# Altium PCB MCU025B.PcbDoc (part 1 of 4) (continued)
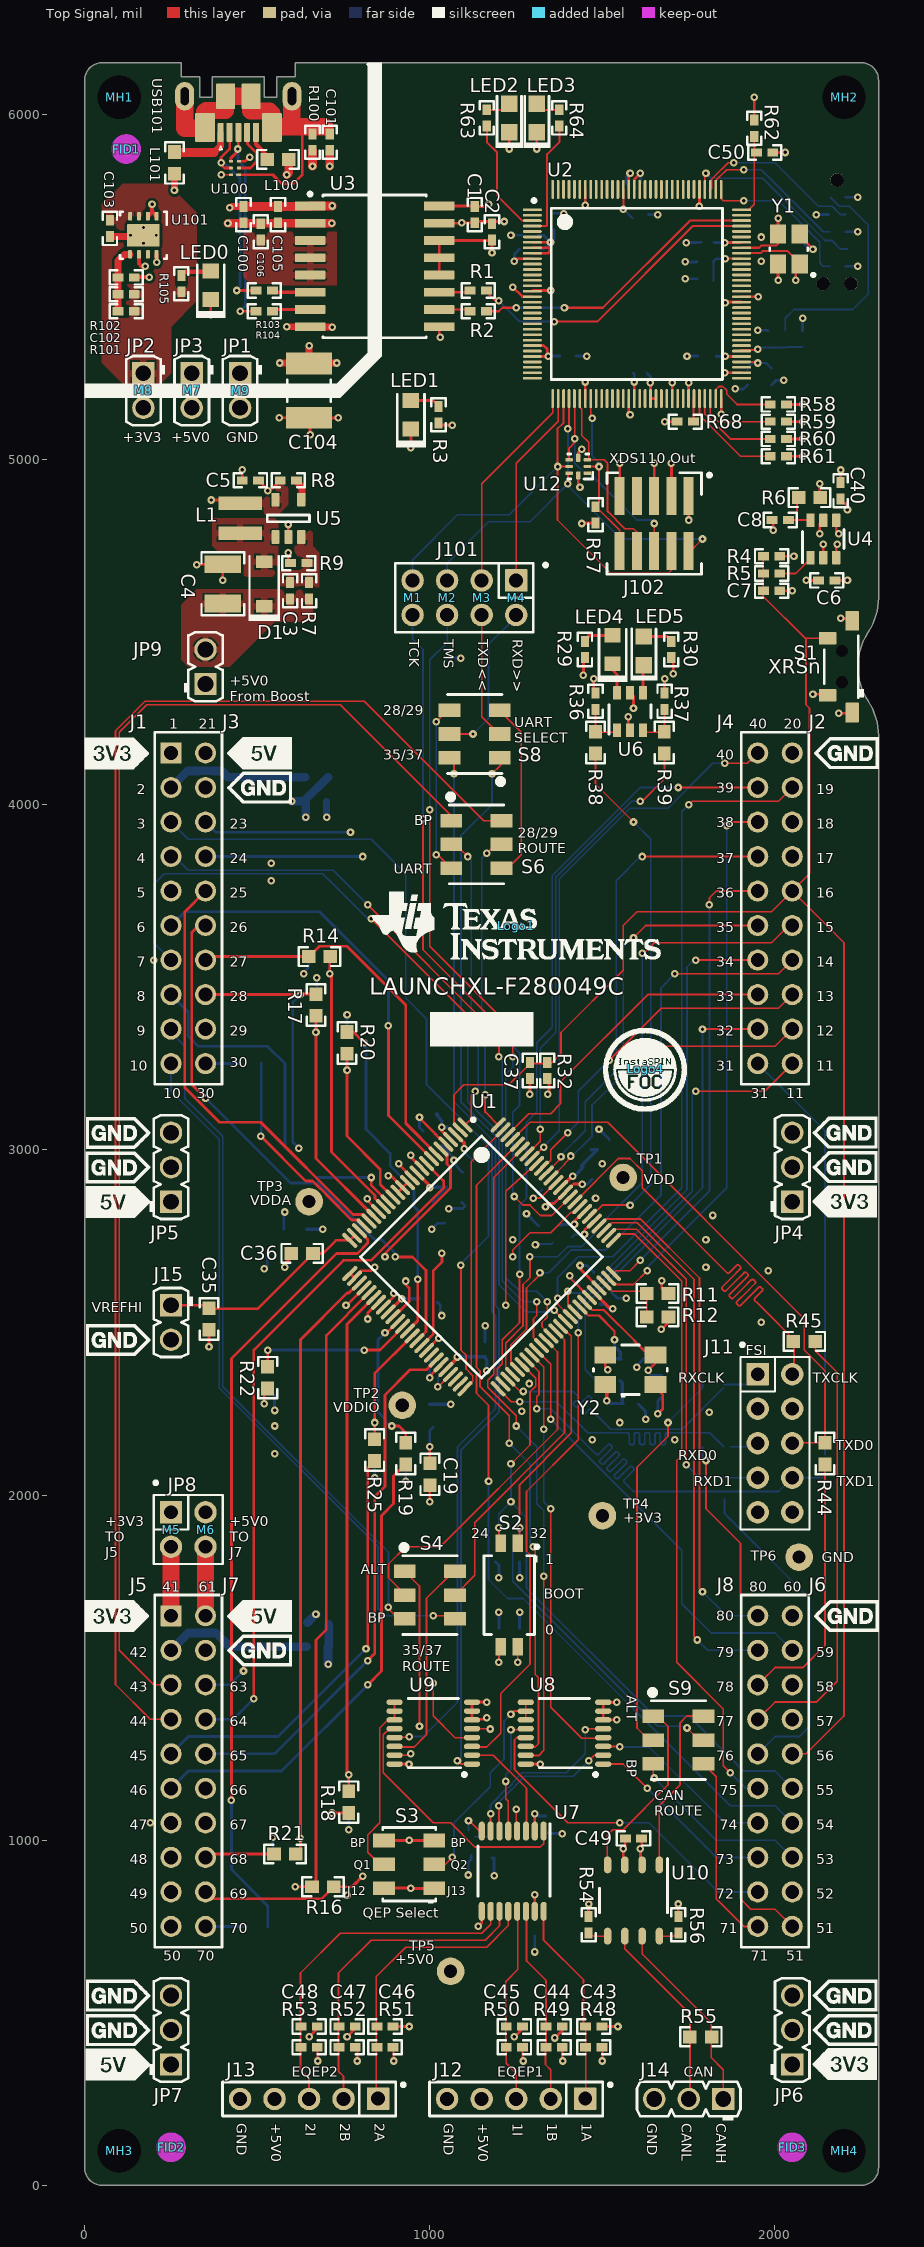
[diagram p0: Top Signal view]
## Design rules (kind name [scope] priority, off if disabled: settings) (continued)
PolygonConnect [All] p1: connectstyle=Relief reliefconductorwidth=20 reliefentries=4 polygonreliefangle="90 Angle" airgapwidth=5
RoutingVias ThermalPadVias [IsVia and InAnyComponent] p1: holewidth=7.87 width=19.68 viastyle="Through Hole" minholewidth=7.87 minwidth=19.68 maxholewidth=12.99 maxwidth=23.62
RoutingVias [All] p2: holewidth=10 width=22 viastyle="Through Hole" minholewidth=10 minwidth=22 maxholewidth=40 maxwidth=65
SilkToBoardRegionClearance [Not ((IsComment or IsDesignator) And (Hide <> 'False')) and not InRegion(1000,500,4000,800)] p1:
SilkToSilkClearance SilkToSilkClearance_Pb-FreeLogo [(HasFootprint('Pb-Free_Overlay_Medium') OR HasFootprint('Pb-Free_Overlay_Small')) vs (HasFootprint('Pb-Free_Overlay_Medium') OR HasFootprint('Pb-Free_Overlay_Small'))] p1: silktosilkclearance=0
SilkToSilkClearance [All] p2: silktosilkclearance=3
SilkToSolderMaskClearance SilkToComponentPadClearance [(IsPad or IsFill or IsRegion) and InAnycomponent] p1: minsilkscreentomaskgap=3 clearancetoexposedcopper=TRUE
SilkToSolderMaskClearance "Silk to Solder Mask Opening" [All] p2: minsilkscreentomaskgap=3 clearancetoexposedcopper=TRUE
SolderMaskExpansion [All] p1: expansion=2
Width Analog [InNetClass('Analog')] p1: maxlimit=25 minlimit=8 preferedwidth=8
Width [All] p2: maxlimit=100 minlimit=5 preferedwidth=5 checkconnectedcopper=TRUE
14 further rules are at their usual default settings.

## Classes and differential pairs
net class Analog: ADCINA0 ADCINA1 ADCINA2 ADCINA3_P2I ADCINA4_P2OF ADCINA5 ADCINA6 ADCINA8_P6OF ADCINA9_P5I ADCINB0 ADCINB1 ADCINB2_P1I ADCINB3 ADCINB4_P4OF ADCINC0_P3I ADCINC1 ADCINC2 ADCINC3_P4I ADCINC4 ADCINC5_P6I ADCINC14 GND NetC26_2 NetC27_2 NetC28_2 NetC29_2 NetC30_2 NetC31_2 NetC32_1 NetC33_1 NetC34_1 NetC35_1 NetR13_2 NetR15_2 NetR23_1 NetR24_1 PGA135_GND PGA246_GND
component class MCU025B_XDS110_USB_Power: C1 C2 C3 C4 C5 C6 C7 C8 C100 C101 C102 C103 C104 C105 C106 D1 JP1 JP2 JP3 JP4 JP5 JP6 JP7 JP9 JP10 L1 L100 L101 LED0 LED1 R1 R2 R3 R4 R5 R6 R7 R8 R9 R100 R101 R102 R103 R104 R105 TP1 TP2 TP3 TP4 TP5 TP6 U3 U4 U5 U100 U101 USB101
component class MCU025B_XDS110_Target_Interface: J101 J102 R57 U12
component class MCU025B_XDS110_MCU: C50 C51 C52 C53 C54 C55 C56 C57 C58 C59 C60 C61 C62 C63 C66 J10 LED2 LED3 R58 R59 R60 R61 R62 R63 R64 R65 R66 R67 R68 R70 R? U2 Y1
component class MCU025B_F280049C_Device: C9 C10 C11 C12 C13 C14 C15 C16 C17 C18 C19 C20 C21 C22 C23 C24 C25 C26 C27 C28 C29 C30 C31 C32 C33 C34 C35 C36 C67 J15 L2 L3 R10 R11 R12 R13 R14 R15 R16 R17 R18 R19 R20 R21 R22 R23 R24 R25 R26 R27 U1
component class MCU025B_Connectors: C43 C44 C45 C46 C47 C48 C49 J1 J2 J5 J6 J11 J12 J13 J14 JP8 R48 R49 R50 R51 R52 R53 R54 R55 R56 U10
component class MCU025B_AltRouting_Misc: C37 C38 C39 C40 C41 C42 LED4 LED5 R28 R29 R30 R31 R32 R33 R34 R35 R36 R37 R38 R39 R40 R41 R42 R43 R44 R45 R46 R47 R71 R72 S1 S2 S3 S4 S6 S8 S9 U6 U7 U8 U9 Y2
component class Header: J11 J12 J13 J14 J15 J101 JP1 JP2 JP3 JP4 JP5 JP6 JP7 JP8 JP9 JP10
component class AssemblyNote: ZZ2 ZZ3 ZZ4
component class FiducialMark: FID1 FID2 FID3 FID4 FID5 FID6
component class MCU025B_Hardware: "CE Logo1" FID1 FID2 FID3 FID4 FID5 FID6 Logo1 Logo2 Logo3 Logo4 M1 M2 M3 M4 M5 M6 M7 M8 M9 MH1 MH2 MH3 MH4 ZZ2 ZZ3 ZZ4
component class Logo: Logo1 Logo4
net class FSIRX: GPIO2_FSIRXD1 GPIO12_FSIRXD0 GPIO33_FSIRXCLK
net class FSITX: GPIO6_FSITXD0 GPIO7_FSITXCLK GPIO25_FSITXD1
component class Shunt: M1 M2 M3 M4 M5 M6 M7 M8 M9

## Components (designator, comment, footprint, x,y, rotation, side; value= is the part's Value field where it differs from the comment)
C1 "GRM155R71A104KA01D" 0402 1130,5710 r90 top value=0.1uF
C2 "GRM155R71A104KA01D" 0402 1180,5660 r270 top value=0.1uF
C3 "GRM1555C1H821JA01D" 0402 595,4620 r90 top value=820pF
C4 "GRM32DR71E106KA12L" 1210_220 400,4640 r90 top value=10uF
C5 "GRM155R60J475ME47D" 0402 480,4940 r180 top value=4.7uF
C6 "GRM155R71A104KA01D" 0402 2150,4650 r0 top value=0.1uF
C7 "GRM155R71E103KA01D" 0402 1990,4620 r0 top value=0.01uF
C8 "GRM155R71E103KA01D" 0402 2015,4825 r180 top value=0.01uF
C9 "GRM188R61A106ME69D" 0603 1505,3020 r225 bottom value=10uF
C10 "GRM188R61A106ME69D" 0603 1000,3080 r45 bottom value=10uF
C11 "GRM155R71A104KA01D" 0402 1460,2935 r315 bottom value=0.1uF
C12 "GRM155R71A104KA01D" 0402 1510,2570 r45 bottom value=0.1uF
C13 "GRM155R71A104KA01D" 0402 1160,2420 r90 bottom value=0.1uF
C14 "GRM155R71A104KA01D" 0402 1050,3030 r225 bottom value=0.1uF
C15 "GRM188R61A225KE34D" 0603 560,2700 r0 bottom value=2.2uF
C16 "GRM188R61A225KE34D" 0603 1000,2570 r0 bottom value=2.2uF
C17 "GRM188R61A225KE34D" 0603 1080,2860 r315 bottom value=2.2uF
C18 "GRM188R61A225KE34D" 0603 1020,2810 r315 bottom value=2.2uF
C19 "GRM188R61A106ME69D" 0603 1000,2060 r270 top value=10uF
C20 "GRM188R61A106ME69D" 0603 1330,2750 r135 bottom value=10uF
C21 "GRM155R71A104KA01D" 0402 1110,2950 r45 bottom value=0.1uF
C22 "GRM155R71A104KA01D" 0402 1020,2370 r315 bottom value=0.1uF
C23 "GRM155R71A104KA01D" 0402 1455,2630 r225 bottom value=0.1uF
C24 "GRM155R71A104KA01D" 0402 1340,2870 r135 bottom value=0.1uF
C25 "GRM155R71A104KA01D" 0402 1395,2764 r315 bottom value=0.1uF
C26 "GRM1885C1H331JA01D" 0603 680,3560 r0 bottom value=330pF
C27 "GRM1885C1H331JA01D" 0603 690,865 r180 bottom value=330pF
C28 "GRM1885C1H331JA01D" 0603 670,3420 r270 bottom value=330pF
C29 "GRM1885C1H331JA01D" 0603 765,1110 r90 bottom value=330pF
C30 "GRM1885C1H331JA01D" 0603 760,3310 r270 bottom value=330pF
C31 "GRM1885C1H331JA01D" 0603 580,960 r0 bottom value=330pF
C32 "GRM1885C1H331JA01D" 0603 930,2120 r270 bottom value=330pF
C33 "GRM1885C1H331JA01D" 0603 530,2340 r270 bottom value=330pF
C34 "GRM1885C1H331JA01D" 0603 840,2130 r270 bottom value=330pF
C35 "GRM188R61A225KE34D" 0603 360,2510 r270 top value=2.2uF
C36 "GRM188R61A225KE34D" 0603 630,2700 r180 top value=2.2uF
C37 "GRM155R71A104KA01D" 0402 1290,3230 r90 top value=0.1uF
C38 "GRM1555C1H150JA01D" 0402 1581.21,2262.93 r0 bottom value=15pF
C39 "GRM1555C1H150JA01D" 0402 1651.21,2402.93 r180 bottom value=15pF
C40 "GRM155R71A104KA01D" 0402 2190,4910 r270 top value=0.1uF
C41 "GRM155R71A104KA01D" 0402 1344,1043 r270 bottom value=0.1uF
C42 "GRM155R71A104KA01D" 0402 1304,746 r90 bottom value=0.1uF
C43 "GRM155R71H102KA01D" 0402 1475,460 r0 top value=1000pF
C44 "GRM155R71H102KA01D" 0402 1360,460 r0 top value=1000pF
C45 "GRM155R71H102KA01D" 0402 1245,460 r0 top value=1000pF
C46 "GRM155R71H102KA01D" 0402 870,460 r0 top value=1000pF
C47 "GRM155R71H102KA01D" 0402 760,460 r0 top value=1000pF
C48 "GRM155R71H102KA01D" 0402 650,460 r0 top value=1000pF
C49 "GRM155R71A104KA01D" 0402 1590,1005 r180 top value=0.1uF
C50 "GRM155R71E103KA01D" 0402 1970,5890 r0 top value=0.01uF
C51 "GRM155R71E103KA01D" 0402 1590,5800 r180 bottom value=0.01uF
C52 "GRM155R71E103KA01D" 0402 1801,5630 r180 bottom value=0.01uF
C53 "GRM155R71E103KA01D" 0402 1800,5300 r180 bottom value=0.01uF
C54 "GRM155R70J104KA01D" 0402 1612,5257 r180 bottom value=0.1uF
C55 "GRM155R70J104KA01D" 0402 1400,5300 r0 bottom value=0.1uF
C56 "GRM155R61A105KE15D" 0402 1360,5690 r90 bottom value=1uF
C57 "GRM155R61A105KE15D" 0402 1290,5608 r180 bottom value=1uF
C58 "GRM155R71E103KA01D" 0402 1290,5650 r180 bottom value=0.01uF
C59 "GRM155R60J225KE95D" 0402 1798,5574 r180 bottom value=2.2uF
C60 "GRM155R70J104KA01D" 0402 1798,5524 r180 bottom value=0.1uF
C61 "GRM155R61A105KE15D" 0402 1610,5700 r0 bottom value=1uF
C62 "GRM1555C1H120JA01D" 0402 2030,5660 r0 bottom value=12pF
C63 "GRM1555C1H120JA01D" 0402 2030,5560 r180 bottom value=12pF
C66 "GRM155R70J104KA01D" 0402 1990,5240 r270 bottom value=0.1uF
C100 "GRM155R60J225KE95D" 0402 460,5710 r270 top value=2.2uF
C101 "GRM155R71H332KA01D" 0402 710,5920 r270 top value=3300pF
C102 "GRM1555C1H150JA01D" 0402 120,5479 r180 top value=15pF
C103 "GRM155R60J225KE95D" 0402 73,5670 r270 top value=2.2uF
C104 "1812SC103KAT1A" 1812 650,5200 r90 top value=0.01uF
C105 "GRM155R71A104KA01D" 0402 560,5710 r90 top value=0.1uF
C106 "GRM155R71A104KA01D" 0402 510,5660 r270 top value=0.1uF
"CE Logo1" "CE Mark" CE_Mark_5mm 550,450 r180 bottom
D1 "1N5819HW-7-F" SOD-123 520,4640 r90 top value=40V
FID1 "Fiducial" Fiducial10-20 120,5900 r0 top
FID2 "Fiducial" Fiducial10-20 250,110 r0 top
FID3 "Fiducial" Fiducial10-20 2050,110 r0 top
FID4 "Fiducial" Fiducial10-20 120,5900 r180 bottom
FID5 "Fiducial" Fiducial10-20 250,110 r180 bottom
FID6 "Fiducial" Fiducial10-20 2050,110 r180 bottom
J1 "SSQ-110-03-T-D" BoosterPack_40pin_J1J3 300,3700 r180 bottom locked
J2 "SSQ-110-03-T-D" BoosterPack_40pin_J2J4 2000,3700 r180 bottom locked (schematic designator J4)
J5 "SSQ-110-03-T-D" BoosterPack_40pin_J1J3 300,1200 r180 bottom locked
J6 "SSQ-110-03-T-D" BoosterPack_40pin_J2J4 2000,1200 r180 bottom locked (schematic designator J8)
J10 "TC2050-IDC-NL-FP" Tag_TC2050-NL 2180,5660 r180 bottom locked
J11 "TSW-105-07-G-D" TSW-105-07-G-D 2000,2150 r270 top
J12 "TSW-105-07-G-S" TSW-105-07-X-S 1250,250 r180 top locked
J13 "TSW-105-07-G-S" TSW-105-07-X-S 650,250 r180 top locked
J14 "61300311121" WURTH_61300311121 1750,250 r180 top locked
J15 "61300211121" WURTH_61300211121 250,2500 r270 top locked
J101 "TSW-104-07-G-D" TSW-104-07-G-D 1100,4600 r180 top
J102 "FTSH-105-01-F-DV-K" Samtec_FTSH-105-01-x-DV-K 1650,4815 r270 top
JP1 "61300211121" WURTH_61300211121 450,5200 r270 top
JP2 "61300211121" WURTH_61300211121 170,5200 r270 top
JP3 "61300211121" WURTH_61300211121 310,5200 r270 top
JP4 "61300311121" WURTH_61300311121 2050,2950 r90 top locked
JP5 "61300311121" WURTH_61300311121 250,2950 r90 top locked
JP6 "61300311121" WURTH_61300311121 2050,450 r90 top
JP7 "61300311121" WURTH_61300311121 250,450 r90 top locked
JP8 "TSW-102-07-G-D" TSW-102-07-G-D 300,1900 r270 top
JP9 "61300211121" WURTH_61300211121 350,4400 r90 top
L1 "744025003" WE-TPC_2828 450,4830 r270 top value=3.3uH
L2 "BKP2125HS600-T" 0805 610,2770 r0 bottom value="60 ohm"
L3 "BLM21PG221SN1D" 0805 1010,2230 r90 bottom value="220 ohm"
L100 "742792620" 0603 560,5870 r0 top value="100 ohm"
L101 "742792620" 0603 260,5860 r270 top value="100 ohm"
LED0 "150080SS75000" WL-SMCW_RED_0805 365,5505 r90 top value=Red
LED1 "150080SS75000" WL-SMCW_RED_0805 945,5130 r90 top value=Red
LED2 "LTST-C170TBKT" LTST-C170TBKT_Blue 1230,5990 r270 top value=Blue
LED3 "LTST-C170TBKT" LTST-C170TBKT_Blue 1310,5990 r270 top value=Blue
LED4 "150080SS75000" WL-SMCW_RED_0805 1529.37,4449.84 r90 top value=Red
LED5 "LTST-C171GKT" LED_LTST-C171 1620,4446 r270 top value=Green
Logo1 "Texas Instruments" TI_Stacked_Overlay_Small 1250,3650 r0 top
Logo2 "WEEE logo" WEEE_Minimum 850,500 r180 bottom
Logo3 "FCC disclaimer" FCC_disclaimer 1150,100 r180 bottom
Logo4 "INSTASPIN_FOC_LOGO" INSTASPIN_FOC_LOGO 1625,3235 r0 top
M1 "60900213421" Wurth_60900213421 950,4600 r270 top
M2 "60900213421" Wurth_60900213421 1050,4600 r90 top
M3 "60900213421" Wurth_60900213421 1150,4600 r90 top
M4 "60900213421" Wurth_60900213421 1250,4600 r90 top
M5 "60900213421" Wurth_60900213421 250,1900 r90 top
M6 "60900213421" Wurth_60900213421 350,1900 r90 top
M7 "60900213421" Wurth_60900213421 310,5201 r90 top
M8 "60900213421" Wurth_60900213421 170,5201 r90 top
M9 "60900213421" Wurth_60900213421 450,5200 r90 top
MH1 "MTG_NoPads" NPTH125mil 100,6050 r0 top
MH2 "MTG_NoPads" NPTH125mil 2200,6050 r0 top
MH3 "MTG_NoPads" NPTH125mil 100,100 r0 top
MH4 "MTG_NoPads" NPTH125mil 2200,100 r0 top
R1 "CRCW040224R3FKED" 0402 1140,5490 r0 top value=24.3
R2 "CRCW040224R3FKED" 0402 1140,5430 r0 top value=24.3
R3 "CRCW0402680RJNED" 0402 1025,5130 r270 top value=680
R4 "CRCW04022K20JNED" 0402 1990,4720 r0 top value=2.2k
R5 "CRCW04020000Z0ED" 0402 1990,4670 r180 top value=0
R6 "CRCW06032K20JNEA" 0603 2100,4890 r0 top value=2.2k
R7 "RC0402FR-0730K1L" 0402 650,4620 r270 top value=30.1k
R8 "CRCW040210K0JNED" 0402 590,4940 r180 top value=10k
R9 "CRCW040210K0JNED" 0402 620,4700 r0 top value=10k
R10 "CRCW04022K20JNED" 0402 1050,4450 r270 bottom value=2.2k
R11 "CRCW06030000Z0EA" 0603 1660,2584 r0 top value=0
R12 "CRCW06030000Z0EA" 0603 1660,2516 r0 top value=0
R13 "CRCW06030000Z0EA" 0603 500,750 r0 bottom value=0
R14 "CRCW06030000Z0EA" 0603 680,3560 r180 top value=0
R15 "CRCW06030000Z0EA" 0603 480,3250 r0 bottom value=0
R16 "CRCW06030000Z0EA" 0603 690,865 r0 top value=0
R17 "CRCW06030000Z0EA" 0603 670,3420 r90 top value=0
R18 "CRCW06030000Z0EA" 0603 765,1110 r270 top value=0
R19 "CRCW06030000Z0EA" 0603 930,2120 r90 top value=0
R20 "CRCW06030000Z0EA" 0603 760,3310 r90 top value=0
R21 "CRCW06030000Z0EA" 0603 580,960 r180 top value=0
R22 "CRCW06030000Z0EA" 0603 530,2340 r90 top value=0
R23 "CRCW06030000Z0EA" 0603 670,4080 r180 bottom value=0
R24 "CRCW06030000Z0EA" 0603 675,1560 r180 bottom value=0
R25 "CRCW06030000Z0EA" 0603 840,2130 r90 top value=0
R26 "CRCW06030000Z0EA" 0603 670,4010 r180 bottom value=0
R27 "CRCW06030000Z0EA" 0603 675,1625 r0 bottom value=0
R28 "CRCW06030000Z0EA" 0603 1481.21,2362.93 r90 bottom value=0
R29 "CRCW0402680RJNED" 0402 1449.37,4449.84 r270 top value=680
R30 "CRCW0402680RJNED" 0402 1699.37,4449.84 r270 top value=680
R31 "CRCW06030000Z0EA" 0603 1551.21,2362.93 r90 bottom value=0
R32 "CRCW04022K20JNED" 0402 1340,3230 r270 top value=2.2k
R33 "CRCW040256K0JNED" 0402 1200,1830 r270 bottom value=56k
R34 "CRCW040256K0JNED" 0402 1260,1830 r270 bottom value=56k
R35 "CRCW06030000Z0EA" 0603 1671.92,2314.64 r270 bottom value=0
R36 "CRCW040210M0JNED" 0402 1480,4300 r90 top value=10Meg
R37 "CRCW040210M0JNED" 0402 1680,4300 r90 top value=10Meg
R38 "CRCW06030000Z0EA" 0603 1480,4180 r90 top value=0
R39 "CRCW06030000Z0EA" 0603 1679,4180 r90 top value=0
R40 "CRCW04022K20JNED" 0402 1200,1590 r270 bottom value=2.2k
R41 "CRCW04022K20JNED" 0402 1260,1590 r270 bottom value=2.2k
R42 "CRCW06032K20JNEA" 0603 1120,980 r90 bottom value=2.2k
R43 "CRCW06030000Z0EA" 0603 1186,980 r90 bottom value=0
R44 "CRCW06030000Z0EA" 0603 2145,2120 r270 top value=0
R45 "CRCW06030000Z0EA" 0603 2085,2445 r0 top value=0
R46 "CRCW06030000Z0EA" 0603 1820,2320 r180 bottom value=0
R47 "CRCW06030000Z0EA" 0603 1820,2140 r180 bottom value=0
R48 "CRCW04021K00FKED" 0402 1475,400 r0 top value=1.00k
R49 "CRCW04021K00FKED" 0402 1360,400 r0 top value=1.00k
R50 "CRCW04021K00FKED" 0402 1245,400 r0 top value=1.00k
R51 "CRCW04021K00FKED" 0402 870,400 r0 top value=1.00k
R52 "CRCW04021K00FKED" 0402 760,400 r0 top value=1.00k
R53 "CRCW04021K00FKED" 0402 650,400 r0 top value=1.00k
R54 "CRCW040210K0FKED" 0402 1460,755 r90 top value=10.0k
R55 "RC0603FR-07120RL" 0603 1785,430 r0 top value=120
R56 "CRCW040210K0FKED" 0402 1720,755 r270 top value=10.0k
R57 "CRCW04023K30JNED" 0402 1480,4840 r270 top value=3.3k
R58 "CRCW04021K00JNED" 0402 2010,5160 r0 top value=1.0k
R59 "CRCW04021K00JNED" 0402 2010,5110 r0 top value=1.0k
R60 "CRCW04021K00JNED" 0402 2010,5060 r0 top value=1.0k
R61 "CRCW04021K00JNED" 0402 2010,5010 r0 top value=1.0k
R62 "CRCW0402100RJNED" 0402 1940,5960 r270 top value=100
R63 "ERJ-2RKF4700X" 0402 1165,5990 r270 top value=470
R64 "ERJ-2RKF4700X" 0402 1375,5990 r270 top value=470
R65 "CRCW040210K0JNED" 0402 1980,5350 r90 bottom value=10k
R66 "CRCW0402100RJNED" 0402 2030,5350 r270 bottom value=100
R67 "CRCW040210K0JNED" 0402 2080,5350 r270 bottom value=10k
R68 "CRCW04024K87FKED" 0402 1740,5110 r0 top value=4.87k
R70 "CRCW040251R0JNED" 0402 1920,5240 r270 bottom value=51
R71 "CRCW06030000Z0EA" 0603 1854,2011.59 r270 bottom value=0
R72 "CRCW06030000Z0EA" 0603 2145,2085 r90 bottom value=0
R100 "CRCW04021M00FKED" 0402 660,5920 r90 top value=1.00Meg
R101 "CRCW040251K0FKED" 0402 120,5430 r0 top
R102 "CRCW040230K0FKED" 0402 120,5528 r180 top value=30.0k
R103 "CRCW040224R3FKED" 0402 520,5490 r0 top value=24.3
R104 "CRCW040224R3FKED" 0402 520,5430 r0 top value=24.3
R105 "CRCW0402680RJNED" 0402 280,5510 r270 top value=680
S1 "1188E-1K2-V-TR" SW_1188E 2180,4400 r180 top
S2 "218-2LPST" SW_218-2LP 1230,1710 r270 top
S3 "CAS-D20TA" SW_CAS-D20TA 940,930 r180 top
S4 "CAS-220TA" SW_CAS-220TA 1000,1710 r0 top
S6 "CAS-220TA" SW_CAS-220TA 1135,3885 r0 top
S8 "CAS-220TA" SW_CAS-220TA 1130,4205 r180 top
S9 "CAS-220TA" SW_CAS-220TA 1720,1290 r0 top
TP1 "TESTPOINT" TESTPOINT 1560,2920 r0 top
TP2 "TESTPOINT" TESTPOINT 920,2260 r0 top
TP3 "TESTPOINT" TESTPOINT 650,2850 r0 top
TP4 "TESTPOINT" TESTPOINT 1500,1940 r0 top
TP5 "TESTPOINT" TESTPOINT 1060,620 r0 top
TP6 "TESTPOINT" TESTPOINT 2070,1820 r0 top
U1 "F280049CPZS" PZ0100A_N 1150,2690 r315 top
U2 "MSP432E401YTPDT" PDT0128A 1600,5480 r0 top locked
U3 "ADuM3160BRWZ" SOIC-16 840,5560 r0 top
U4 "TPS3702CX33DDCR" DDC0006A_N 2140,4770 r90 top
U5 "LMR62421XMFX/NOPB" DBV0005A_N 590,4830 r90 top
U6 "SN74LVC2G07DBVR" DBV0006A_N 1580,4270 r90 top
U7 "TXB0106PWR" PW0016A_N 1240,910 r270 top
U8 "SN74LV4053ATPWRQ1" PW0016A_L 1390,1310 r180 top
U9 "SN74LV4053ATPWRQ1" PW0016A_L 1010,1310 r180 top
U10 "SN65HVD234DR" D0008A_L 1590,825 r270 top
U12 "TPD6E004RSER" RSE0008A 1430,4980 r180 top
U100 "TPD4E004DRYR" DRY0006A 435,5845 r180 top
U101 "TPS79601DRBR" DRB0008B 170,5650 r270 top
USB101 "1051640001" Molex_1051640001 445,6110 r180 top
Y1 "NX3225GA-16.000M-STD-CRG-1" NDK_NX3225GA 2040,5610 r180 top
Y2 "ECS-200-18-30B-AGN-TR" ECS_ECX-53B 1581.21,2362.93 r90 top
ZZ2 "These assemblies are ESD sensitive, ESD precautions shall be observed." AssemblyNote 95,7342 r0 top
ZZ3 "These assemblies must be clean and free from flux and all contaminants. Use of no clean flux is not acceptable." AssemblyNote 95,7192 r0 top
ZZ4 "These assemblies must comply with workmanship standards IPC-A-610 Class 2, unless otherwise specified." AssemblyNote 95,7042 r0 top

## Footprints (in the part's own frame and the unit in brackets; to place one, negate y for a bottom-side part, rotate by r counter-clockwise, add the part's x,y. Pads: shape width x height; smd on the part's side, far side on the other; paste and mask are expansions set on the pad)
0402 [mm] "0402 from SM-752 data"
  rect 0.8x0.6 smd: 1(-0.6,0) 2(0.6,0)
  silkscreen extent -1.22,-0.52 1.22,0.52, body extent -0.55,-0.3 0.55,0.3, height 0.6
0603 [mm] "0603 from SM-752 data"
  rect 1x0.95 smd: 1(-0.8,0) 2(0.8,0)
  silkscreen extent -1.52,-0.69 1.52,0.69, body extent -0.87,-0.47 0.87,0.47, height 1
0805 [mm] "0805 from SM-752 data"
  rect 1.3x1.5 smd: 1(-0.85,0) 2(0.85,0)
  silkscreen extent -1.72,-0.97 1.72,0.97, body extent -1.1,-0.72 1.1,0.72, height 1.45
1210_220 [mm] "1210"
  rect 1.3x2.7 smd: 1(-1.45,0) 2(1.45,0)
  silkscreen extent -2.32,-1.57 2.32,1.57, body extent -1.7,-1.35 1.7,1.35, height 2.2
1812 [mm]
  rect 1.6x3.4 smd: 1(-2,0) 2(2,0)
  silkscreen extent -0.8,-1.6 0.8,1.6, body extent -2.4,-1.7 2.4,1.7, height 1.35
AssemblyNote [mil] "Assembly Note"
BoosterPack_40pin_J1J3 [mm] "Receptacle, 2.54mm, 10x2, TH"
  rrect6% 1.55x1.55 hole 1.02: 1(1.27,11.43)
  round 1.55 hole 1.02: 2(1.27,8.89) 3(1.27,6.35) 4(1.27,3.81) 5(1.27,1.27) 6(1.27,-1.27) 7(1.27,-3.81) 8(1.27,-6.35) 9(1.27,-8.89) 10(1.27,-11.43) 21(-1.27,11.43) 22(-1.27,8.89) 23(-1.27,6.35) 24(-1.27,3.81) 25(-1.27,1.27) 26(-1.27,-1.27) 27(-1.27,-3.81) 28(-1.27,-6.35) 29(-1.27,-8.89) 30(-1.27,-11.43)
  silkscreen extent -7.62,-12.95 7.62,12.95, body extent -2.48,-12.95 2.48,12.95, height 8.51
BoosterPack_40pin_J2J4 [mm] "Receptacle, 2.54mm, 10x2, TH"
  round 1.55 hole 1.02: 11(-1.27,-11.43) 12(-1.27,-8.89) 13(-1.27,-6.35) 14(-1.27,-3.81) 15(-1.27,-1.27) 16(-1.27,1.27) 17(-1.27,3.81) 18(-1.27,6.35) 19(-1.27,8.89) 20(-1.27,11.43) 31(1.27,-11.43) 32(1.27,-8.89) 33(1.27,-6.35) 34(1.27,-3.81) 35(1.27,-1.27) 36(1.27,1.27) 37(1.27,3.81) 38(1.27,6.35) 39(1.27,8.89) 40(1.27,11.43)
  silkscreen extent -7.62,-12.95 2.48,12.95, body extent -2.48,-12.95 2.48,12.95, height 8.51
CE_Mark_5mm [mil] "Minimum text height for CE Mark"
  silkscreen extent -138,-98 138,98
D0008A_L [mm] "SOIC, 8-Leads, Body 4.9x3.9mm, Pitch 1.27mm, IPC High Density"
  oval 1.25x0.55 smd: 1(-2.625,1.905) 2(-2.625,0.635) 3(-2.625,-0.635) 4(-2.625,-1.905) 5(2.625,-1.905) 6(2.625,-0.635) 7(2.625,0.635) 8(2.625,1.905)
  silkscreen extent -3.1,-2.5 0.9,2.5, body extent -3,-2.45 3,2.45, height 1.63
DBV0005A_N [mm] "SOT23, 5-Leads, Body 2.9x1.6mm, Pitch 0.95mm, Lead Span 2.8mm, IPC Medium Density"
  rrect17% 1x0.6 smd: 1(-1.375,0.95) 2(-1.375,0) 3(-1.375,-0.95) 4(1.375,-0.95) 5(1.375,0.95)
  silkscreen extent -0.25,-1.55 0.25,1.55, body extent -1.42,-1.46 1.42,1.46, height 1.09
DBV0006A_N [mm] "SOT23, 6-Leads, Body 2.9x1.6mm, Pitch 0.95mm, Lead Span 2.8mm, IPC Medium Density"
  rrect17% 1x0.6 smd: 1(-1.375,0.95) 2(-1.375,0) 3(-1.375,-0.95) 4(1.375,-0.95) 5(1.375,0) 6(1.375,0.95)
  silkscreen extent -1.67,-1.55 0.5,1.55, body extent -1.42,-1.46 1.42,1.46, height 1.12
DDC0006A_N [mm]
  rrect17% 1x0.6 smd: 1(-1.375,0.95) 2(-1.375,0) 3(-1.375,-0.95) 4(1.375,-0.95) 5(1.375,0) 6(1.375,0.95)
  silkscreen extent -1.75,-1.52 0.7,1.53, body extent -1.43,-1.48 1.43,1.49, height 0.92
DRB0008B [mm] "SON, 8-Leads, Body 3x3mm, Pitch 0.65mm, Thermal Pad 2.4x1.65mm, TI Recommended"
  rrect33% 0.6x0.3 smd: 1(-1.4,0.975) 2(-1.4,0.325) 3(-1.4,-0.325) 4(-1.4,-0.975) 5(1.4,-0.975) 6(1.4,-0.325) 7(1.4,0.325) 8(1.4,0.975)
  rrect9% 1.47x1.06 on Top Paste: 9(0,0.63) 9(0,-0.63)
  rrect6% 1.65x2.4 smd paste-1.2: 9(0,0)
  silkscreen extent -1.73,-1.73 1.73,1.73, body extent -1.5,-1.5 1.5,1.5, height 0.96
DRY0006A [mm] "PSON, 6-Leads, Body 1x1.45mm, Pitch 0.5mm, TI Recommended"
  rrect50% 0.35x0.2 smd: 1(-0.275,0.5)
  rrect50% 0.3x0.2 smd: 2(-0.3,0) 3(-0.3,-0.5) 4(0.3,-0.5) 5(0.3,0) 6(0.3,0.5)
  body extent -0.5,-0.72 0.5,0.73, height 0.58
ECS_ECX-53B [mm] "SMD, 4-Leads, Body 5x3.2mm"
  rect 1.25x1.6 smd: 1(-1.1,1.85) 2(-1.1,-1.85) 3(1.1,-1.85) 4(1.1,1.85)
  silkscreen extent -2.05,-2.7 1.83,2.73, body extent -1.7,-2.6 1.7,2.6, height 0.86
FCC_disclaimer [mil]
Fiducial10-20 [mm]
  round 1 smd mask+0.5: 1(0,0)
  Top Signal keep-out circle w1.178: c0,0 r0.5
INSTASPIN_FOC_LOGO [mil] "INSTASPIN FOC LOGO"
  silkscreen extent -122,-122 119,118
LED_LTST-C171 [mm] "LITE-ON"
  rect 1.2x1.2 smd: 1(-1.05,0) 2(1.05,0)
  silkscreen extent -1.6,-1 2.2,1, body extent -1.05,-0.67 1.05,0.67, height 0.8
LTST-C170TBKT_Blue [mm] "LITE-ON"
  rect 1.2x1.2 smd: 1(-1.05,0) 2(1.05,0)
  silkscreen extent -1.6,-1 2.2,1, body extent -1.05,-0.67 1.05,0.67, height 1.2
Molex_1051640001 [mm] "Receptacle, USB 2.0, Micro B, 5 Pos, 0.65mm Pitch, R/A, SMT"
  rrect22% 0.45x1.38 smd: 1(1.3,4.11) 2(0.65,4.11) 3(0,4.11) 4(-0.65,4.11) 5(-1.3,4.11)
  rrect7% 1.475x2.1 smd: 6(-2.462,3.75) 11(2.462,3.75)
  rrect100% 1.4x2.1 hole 0.6 slot 1.3 at 90 deg: 7(-3.95,1.45) 10(3.95,1.45)
  rrect7% 1.375x1.9 smd: 8(-0.937,1.45) 9(0.937,1.45)
  silkscreen extent 1.2,5.1 1.4,5.4, body extent -4.1,-0.7 4.1,4.47, height 2.45
NDK_NX3225GA [mm] "NDK"
  rect 1.2x1.4 smd: 1(-0.8,1.1) 2(-0.8,-1.1) 3(0.8,-1.1) 4(0.8,1.1)
  silkscreen extent -1.9,-0.1 1.4,2, body extent -1.3,-1.65 1.3,1.65, height 0.9
NPTH125mil [mil]
  round 120 hole 125 unplated mask+15: 1(0,0)
PDT0128A [mm] "Thin QFP, 128-Leads, Body 14x14mm, Pitch 0.4mm"
  oval 1.4x0.2 smd: 1(-7.7,6.2) 2(-7.7,5.8) 3(-7.7,5.4) 4(-7.7,5) 5(-7.7,4.6) 6(-7.7,4.2) 7(-7.7,3.8) 8(-7.7,3.4) 9(-7.7,3) 10(-7.7,2.6) 11(-7.7,2.2) 12(-7.7,1.8) 13(-7.7,1.4) 14(-7.7,1) 15(-7.7,0.6) 16(-7.7,0.2) 17(-7.7,-0.2) 18(-7.7,-0.6) 19(-7.7,-1) 20(-7.7,-1.4) 21(-7.7,-1.8) 22(-7.7,-2.2) 23(-7.7,-2.6) 24(-7.7,-3) 25(-7.7,-3.4) 26(-7.7,-3.8) 27(-7.7,-4.2) 28(-7.7,-4.6) 29(-7.7,-5) 30(-7.7,-5.4) 31(-7.7,-5.8) 32(-7.7,-6.2) 65(7.7,-6.2) 66(7.7,-5.8) 67(7.7,-5.4) 68(7.7,-5) 69(7.7,-4.6) 70(7.7,-4.2) 71(7.7,-3.8) 72(7.7,-3.4) 73(7.7,-3) 74(7.7,-2.6) 75(7.7,-2.2) 76(7.7,-1.8) 77(7.7,-1.4) 78(7.7,-1) 79(7.7,-0.6) 80(7.7,-0.2) 81(7.7,0.2) 82(7.7,0.6) 83(7.7,1) 84(7.7,1.4) 85(7.7,1.8) 86(7.7,2.2) 87(7.7,2.6) 88(7.7,3) 89(7.7,3.4) 90(7.7,3.8) 91(7.7,4.2) 92(7.7,4.6) 93(7.7,5) 94(7.7,5.4) 95(7.7,5.8) 96(7.7,6.2)
  oval 0.2x1.4 smd: 33(-6.2,-7.7) 34(-5.8,-7.7) 35(-5.4,-7.7) 36(-5,-7.7) 37(-4.6,-7.7) 38(-4.2,-7.7) 39(-3.8,-7.7) 40(-3.4,-7.7) 41(-3,-7.7) 42(-2.6,-7.7) 43(-2.2,-7.7) 44(-1.8,-7.7) 45(-1.4,-7.7) 46(-1,-7.7) 47(-0.6,-7.7) 48(-0.2,-7.7) 49(0.2,-7.7) 50(0.6,-7.7) 51(1,-7.7) 52(1.4,-7.7) 53(1.8,-7.7) 54(2.2,-7.7) 55(2.6,-7.7) 56(3,-7.7) 57(3.4,-7.7) 58(3.8,-7.7) 59(4.2,-7.7) 60(4.6,-7.7) 61(5,-7.7) 62(5.4,-7.7) 63(5.8,-7.7) 64(6.2,-7.7) 97(6.2,7.7) 98(5.8,7.7) 99(5.4,7.7) 100(5,7.7) 101(4.6,7.7) 102(4.2,7.7) 103(3.8,7.7) 104(3.4,7.7) 105(3,7.7) 106(2.6,7.7) 107(2.2,7.7) 108(1.8,7.7) 109(1.4,7.7) 110(1,7.7) 111(0.6,7.7) 112(0.2,7.7) 113(-0.2,7.7) 114(-0.6,7.7) 115(-1,7.7) 116(-1.4,7.7) 117(-1.8,7.7) 118(-2.2,7.7) 119(-2.6,7.7) 120(-3,7.7) 121(-3.4,7.7) 122(-3.8,7.7) 123(-4.2,7.7) 124(-4.6,7.7) 125(-5,7.7) 126(-5.4,7.7) 127(-5.8,7.7) 128(-6.2,7.7)
  silkscreen extent -7.7,-6.3 6.3,6.99, body extent -8,-8 8,8, height 1.07
PW0016A_L [mm] "TSOP, 16-Leads, Body 5x4.4mm, Pitch 0.65mm, IPC High Density"
  oval 1.2x0.4 smd: 1(-2.85,2.275) 2(-2.85,1.625) 3(-2.85,0.975) 4(-2.85,0.325) 5(-2.85,-0.325) 6(-2.85,-0.975) 7(-2.85,-1.625) 8(-2.85,-2.275) 9(2.85,-2.275) 10(2.85,-1.625) 11(2.85,-0.975) 12(2.85,-0.325) 13(2.85,0.325) 14(2.85,0.975) 15(2.85,1.625) 16(2.85,2.275)
  silkscreen extent -2,-2.55 1.85,2.55, body extent -3.21,-2.5 3.21,2.5, height 1
PW0016A_N [mm] "TSOP, 16-Leads, Body 5x4.4mm, Pitch 0.65mm, IPC Medium Density"
  oval 1.4x0.45 smd: 1(-2.95,2.275) 2(-2.95,1.625) 3(-2.95,0.975) 4(-2.95,0.325) 5(-2.95,-0.325) 6(-2.95,-0.975) 7(-2.95,-1.625) 8(-2.95,-2.275) 9(2.95,-2.275) 10(2.95,-1.625) 11(2.95,-0.975) 12(2.95,-0.325) 13(2.95,0.325) 14(2.95,0.975) 15(2.95,1.625) 16(2.95,2.275)
  silkscreen extent -3.5,-2.55 1.85,2.75, body extent -3.21,-2.5 3.21,2.5, height 1
PZ0100A_N [mm] "TSQFP, 100-Leads, Body 16.2x16.2mm (max), Pitch 0.50mm, IPC Medium Density"
  oval 1.45x0.3 smd: 1(-7.725,6) 2(-7.725,5.5) 3(-7.725,5) 4(-7.725,4.5) 5(-7.725,4) 6(-7.725,3.5) 7(-7.725,3) 8(-7.725,2.5) 9(-7.725,2) 10(-7.725,1.5) 11(-7.725,1) 12(-7.725,0.5) 13(-7.725,0) 14(-7.725,-0.5) 15(-7.725,-1) 16(-7.725,-1.5) 17(-7.725,-2) 18(-7.725,-2.5) 19(-7.725,-3) 20(-7.725,-3.5) 21(-7.725,-4) 22(-7.725,-4.5) 23(-7.725,-5) 24(-7.725,-5.5) 25(-7.725,-6) 51(7.725,-6) 52(7.725,-5.5) 53(7.725,-5) 54(7.725,-4.5) 55(7.725,-4) 56(7.725,-3.5) 57(7.725,-3) 58(7.725,-2.5) 59(7.725,-2) 60(7.725,-1.5) 61(7.725,-1) 62(7.725,-0.5) 63(7.725,0) 64(7.725,0.5) 65(7.725,1) 66(7.725,1.5) 67(7.725,2) 68(7.725,2.5) 69(7.725,3) 70(7.725,3.5) 71(7.725,4) 72(7.725,4.5) 73(7.725,5) 74(7.725,5.5) 75(7.725,6)
  oval 0.3x1.45 smd: 26(-6,-7.725) 27(-5.5,-7.725) 28(-5,-7.725) 29(-4.5,-7.725) 30(-4,-7.725) 31(-3.5,-7.725) 32(-3,-7.725) 33(-2.5,-7.725) 34(-2,-7.725) 35(-1.5,-7.725) 36(-1,-7.725) 37(-0.5,-7.725) 38(0,-7.725) 39(0.5,-7.725) 40(1,-7.725) 41(1.5,-7.725) 42(2,-7.725) 43(2.5,-7.725) 44(3,-7.725) 45(3.5,-7.725) 46(4,-7.725) 47(4.5,-7.725) 48(5,-7.725) 49(5.5,-7.725) 50(6,-7.725) 76(6,7.725) 77(5.5,7.725) 78(5,7.725) 79(4.5,7.725) 80(4,7.725) 81(3.5,7.725) 82(3,7.725) 83(2.5,7.725) 84(2,7.725) 85(1.5,7.725) 86(1,7.725) 87(0.5,7.725) 88(0,7.725) 89(-0.5,7.725) 90(-1,7.725) 91(-1.5,7.725) 92(-2,7.725) 93(-2.5,7.725) 94(-3,7.725) 95(-3.5,7.725) 96(-4,7.725) 97(-4.5,7.725) 98(-5,7.725) 99(-5.5,7.725) 100(-6,7.725)
  silkscreen extent -7.7,-6.3 6.3,6.82, body extent -8.01,-8.01 8.01,8.01, height 1.5
RSE0008A [mm] "QFN, 8-Leads, Body 1.5x1.5mm, Pitch 0.5mm, TI Recommended"
  rrect40% 0.55x0.25 smd: 1(-0.675,0.5) 3(-0.675,-0.5) 5(0.675,-0.5) 7(0.675,0.5)
  rrect50% 0.55x0.2 smd: 2(-0.675,0) 6(0.675,0)
  rrect33% 0.3x0.6 smd: 4(0,-0.65) 8(0,0.65)
  silkscreen extent -1.02,-0.93 0.78,0.93, body extent -0.75,-0.75 0.75,0.75, height 0.6
Samtec_FTSH-105-01-x-DV-K [mm] "Header(Shrouded), 1.27mm, 5x2, SMT"
  rect 2.79x0.74 smd: 1(-2.035,2.54) 2(2.035,2.54) 3(-2.035,1.27) 4(2.035,1.27) 5(-2.035,0) 6(2.035,0) 7(-2.035,-1.27) 8(2.035,-1.27) 9(-2.035,-2.54) 10(2.035,-2.54)
  silkscreen extent -3.73,-3.48 3.73,3.48, body extent -2.92,-3.18 2.92,3.17, height 6.13
SOD-123 [mm] "On Semi recommended land pattern"
  rect 0.915x1.22 smd: 1(-1.637,0) 2(1.637,0)
  silkscreen extent -2.74,-1.17 2.03,1.17, body extent -1.93,-0.9 1.93,0.9, height 1.35
SOIC-16 [mm] "SOIC, 16-Leads, Body 10.3x7.5mm, Pitch 1.27mm"
  rrect15% 2.25x0.65 smd: 1(-4.75,4.445) 2(-4.75,3.175) 3(-4.75,1.905) 4(-4.75,0.635) 5(-4.75,-0.635) 6(-4.75,-1.905) 7(-4.75,-3.175) 8(-4.75,-4.445) 9(4.75,-4.445) 10(4.75,-3.175) 11(4.75,-1.905) 12(4.75,-0.635) 13(4.75,0.635) 14(4.75,1.905) 15(4.75,3.175) 16(4.75,4.445)
  silkscreen extent -4.87,-5.25 3.8,5.44, body extent -5.32,-5.24 5.32,5.25, height 2.64
SW_218-2LP [mm] "SMD, 4-Leads, Body 3.71x5.8mm, Pitch 1.27mm"
  rect 1.27x0.76 smd: 1(-3.81,0.635) 2(-3.81,-0.635) 3(3.81,-0.635) 4(3.81,0.635)
  silkscreen extent -2.9,-1.86 2.9,2.09, body extent -4.22,-1.86 4.22,1.85, height 2.62
SW_1188E [mm] "SMD, 4-Leads, Body 7.8x3.5mm"
  rrect10% 1x1.45 smd: 1(-1.1,3.375) 2(-1.1,-3.375)
  rrect11% 1.3x0.9 smd: 3(0.7,2.1) 4(0.7,-2.1)
  round 0 hole 0.9 unplated: ""(-0.35,1.15) ""(-0.35,-1.15)
  silkscreen extent -1.98,-2.28 0.95,2.28, body extent -2.55,-3.9 1.05,3.9, height 3.5
SW_CAS-220TA [mm] "COPAL ELECTRONICS"
  rect 1.6x1 smd: 1(-1.85,1.75) 2(-1.85,0) 3(-1.85,-1.75) 4(1.85,1.75) 5(1.85,0) 6(1.85,-1.75)
  silkscreen extent -2.1,-2.9 2,3.7, body extent -2.1,-2.85 2.1,2.85, height 2.51
SW_CAS-D20TA [mm] "SMD, 6-Leads, Body 5.4x3.9mm, Pitch 1.75mm"
  rect 1.6x1 smd: 1(-1.85,1.75) 2(-1.85,0) 3(-1.85,-1.75) 4(1.85,1.75) 5(1.85,0) 6(1.85,-1.75)
  silkscreen extent -1.95,-2.7 1.95,2.9, body extent -2.1,-2.7 2.1,2.7, height 2.5
Tag_TC2050-NL [mil] "Footprint for Tag-Connect TC2050 No-Legs cables"
  round 31 smd paste-15.75: 1(-25,100) 2(-25,50) 3(-25,0) 4(-25,-50) 5(-25,-100) 6(25,-100) 7(25,-50) 8(25,0) 9(25,50) 10(25,100)
  round 39 hole 39 unplated: MH1(0,150) MH2(-40,-150) MH3(40,-150)
  silkscreen extent -105,-200 75,200
TESTPOINT [mil]
  round 80 hole 37.99: 1(0,0)
TI_Stacked_Overlay_Small [mil]
  silkscreen extent -418,-98 418,98
TSW-102-07-G-D [mm] "Samtec 100mil, 2x2, 230 mil above insulator"
  rrect6% 1.65x1.65 hole 1.016: 1(-1.27,-1.27)
  round 1.65 hole 1.016: 2(-1.27,1.27) 3(1.27,-1.27) 4(1.27,1.27)
  silkscreen extent -3.56,-2.54 2.54,2.54, body extent -2.54,-2.54 2.54,2.54, height 8.38
TSW-104-07-G-D [mm] "Samtec 100mil, 2x4, 230 mil above insulator"
  rrect6% 1.65x1.65 hole 1.016: 1(-3.81,-1.27)
  round 1.65 hole 1.016: 2(-3.81,1.27) 3(-1.27,-1.27) 4(-1.27,1.27) 5(1.27,-1.27) 6(1.27,1.27) 7(3.81,-1.27) 8(3.81,1.27)
  silkscreen extent -6.11,-2.54 5.08,2.54, body extent -5.08,-2.54 5.08,2.54, height 8.38
TSW-105-07-G-D [mm] "Samtec 100mil, 2x5, 230 mil above insulator"
  rrect6% 1.65x1.65 hole 1.016: 1(-5.08,-1.27)
  round 1.65 hole 1.016: 2(-5.08,1.27) 3(-2.54,-1.27) 4(-2.54,1.27) 5(0,-1.27) 6(0,1.27) 7(2.54,-1.27) 8(2.54,1.27) 9(5.08,-1.27) 10(5.08,1.27)
  silkscreen extent -7.37,-2.54 6.35,2.54, body extent -6.35,-2.54 6.35,2.54, height 8.38
TSW-105-07-X-S [mm] "Samtec 100mil, 1x5, 230 mil above insulator"
  rrect6% 1.65x1.65 hole 1.016: 1(-5.08,-0.025)
  round 1.65 hole 1.016: 2(-2.54,0) 3(0,0) 4(2.54,0) 5(5.08,0)
  silkscreen extent -7.05,-1.25 6.37,1.25, body extent -6.35,-1.27 6.35,1.27, height 8.38
WE-TPC_2828 [mm] "WURTH"
  rect 1x3.2 smd: 1(-1.1,0) 2(1.1,0)
  body extent -1.5,-1.5 1.5,1.5, height 3
WEEE_Minimum [mil] "WEEElie bin"
  silkscreen extent -95,-172 99,104
WL-SMCW_RED_0805 [mm] "SMD, 2-Leads, Body 1.6x0.8mm"
  rect 1.1x1.2 smd: 1(-1.05,0) 2(1.05,0)
  silkscreen extent -2.4,-1.1 1.5,1.1, body extent -1,-0.62 1,0.63, height 0.7
Wurth_60900213421 [mil] "Shunt, 2.54mm, Black"
  round 1 on Mech3: 0(0,0)
  body extent -98,-48 98,48, height 338
WURTH_61300211121 [mm] "Header, 2.54mm, 2x1, TH"
  rect 1.65x1.65 hole 1.15: 1(-1.27,0)
  round 1.65 hole 1.15: 2(1.27,0)
  silkscreen extent -2.54,-1.27 2.54,1.6, body extent -2.54,-1.27 2.54,1.27, height 8.54
WURTH_61300311121 [mm] "Header, 2.54mm, 3x1, TH"
  rect 1.65x1.65 hole 1.15: 1(-2.54,0)
  round 1.65 hole 1.15: 2(0,0) 3(2.54,0)
  silkscreen extent -3.81,-1.27 3.81,1.6, body extent -3.81,-1.27 3.81,1.27, height 8.54

## Part data
C1 C2 C6 C11 C12 C13 C14 C21 C22 C23 C24 C25 C37 C40 C41 C42 C49 C105 C106: library part CMP-0006629-2, "CAP, CERM, 0.1 uF, 10 V, +/- 10%, X7R, 0402", Cap_Case=0402, Manufacturer=MuRata, Supplier Part Number 1=GRM155R71A104KA01D-ND, TempCo=X7R, Tolerance_%=10%, Value1=Unknown, Value2=10V, ValueDisplayed=0.1uF, AEC Category=Q200, AEC Qualified=?, Cap_F=100nF, ComponentLink1Description="Datasheet link", ComponentLink1URL=http://search.murata.co.jp/Ceramy/PnsearchViewAction.do?HnOFG=ON&HnNFG=ON&SEL_CNT=50&sLang=en&sKey=GRM155R71A104KA01D&x=9&y=9&search=startwith, CompType=Capacitor, LatestRevisionDate=2017-03-09, MountType=SMT, PackageReference=0402, PartNumber=GRM155R71A104KA01D, Polarized=N, Published=2008-06-19, Publisher="Texas Instruments", RoHS=Y, SizeArea_mm2=0.5, SizeAreaWB_mm2=3, SizeX_mm=1, SizeY_mm=0.5, SizeZ_mm=0.6, Supplier 1=Digi-Key, Supplier 2=Newark, Supplier 3=Mouser, Supplier Part Number 2=14T3278, Supplier Part Number 3=81-GRM155R71A104KA1D, TaMax_C=125°C, TaMin_C=-55°C, Technology=Ceramic, U/M=EA, VDC_V=10V